# Altium PCB PCB1.PcbDoc (part 4 of 14) (continued)
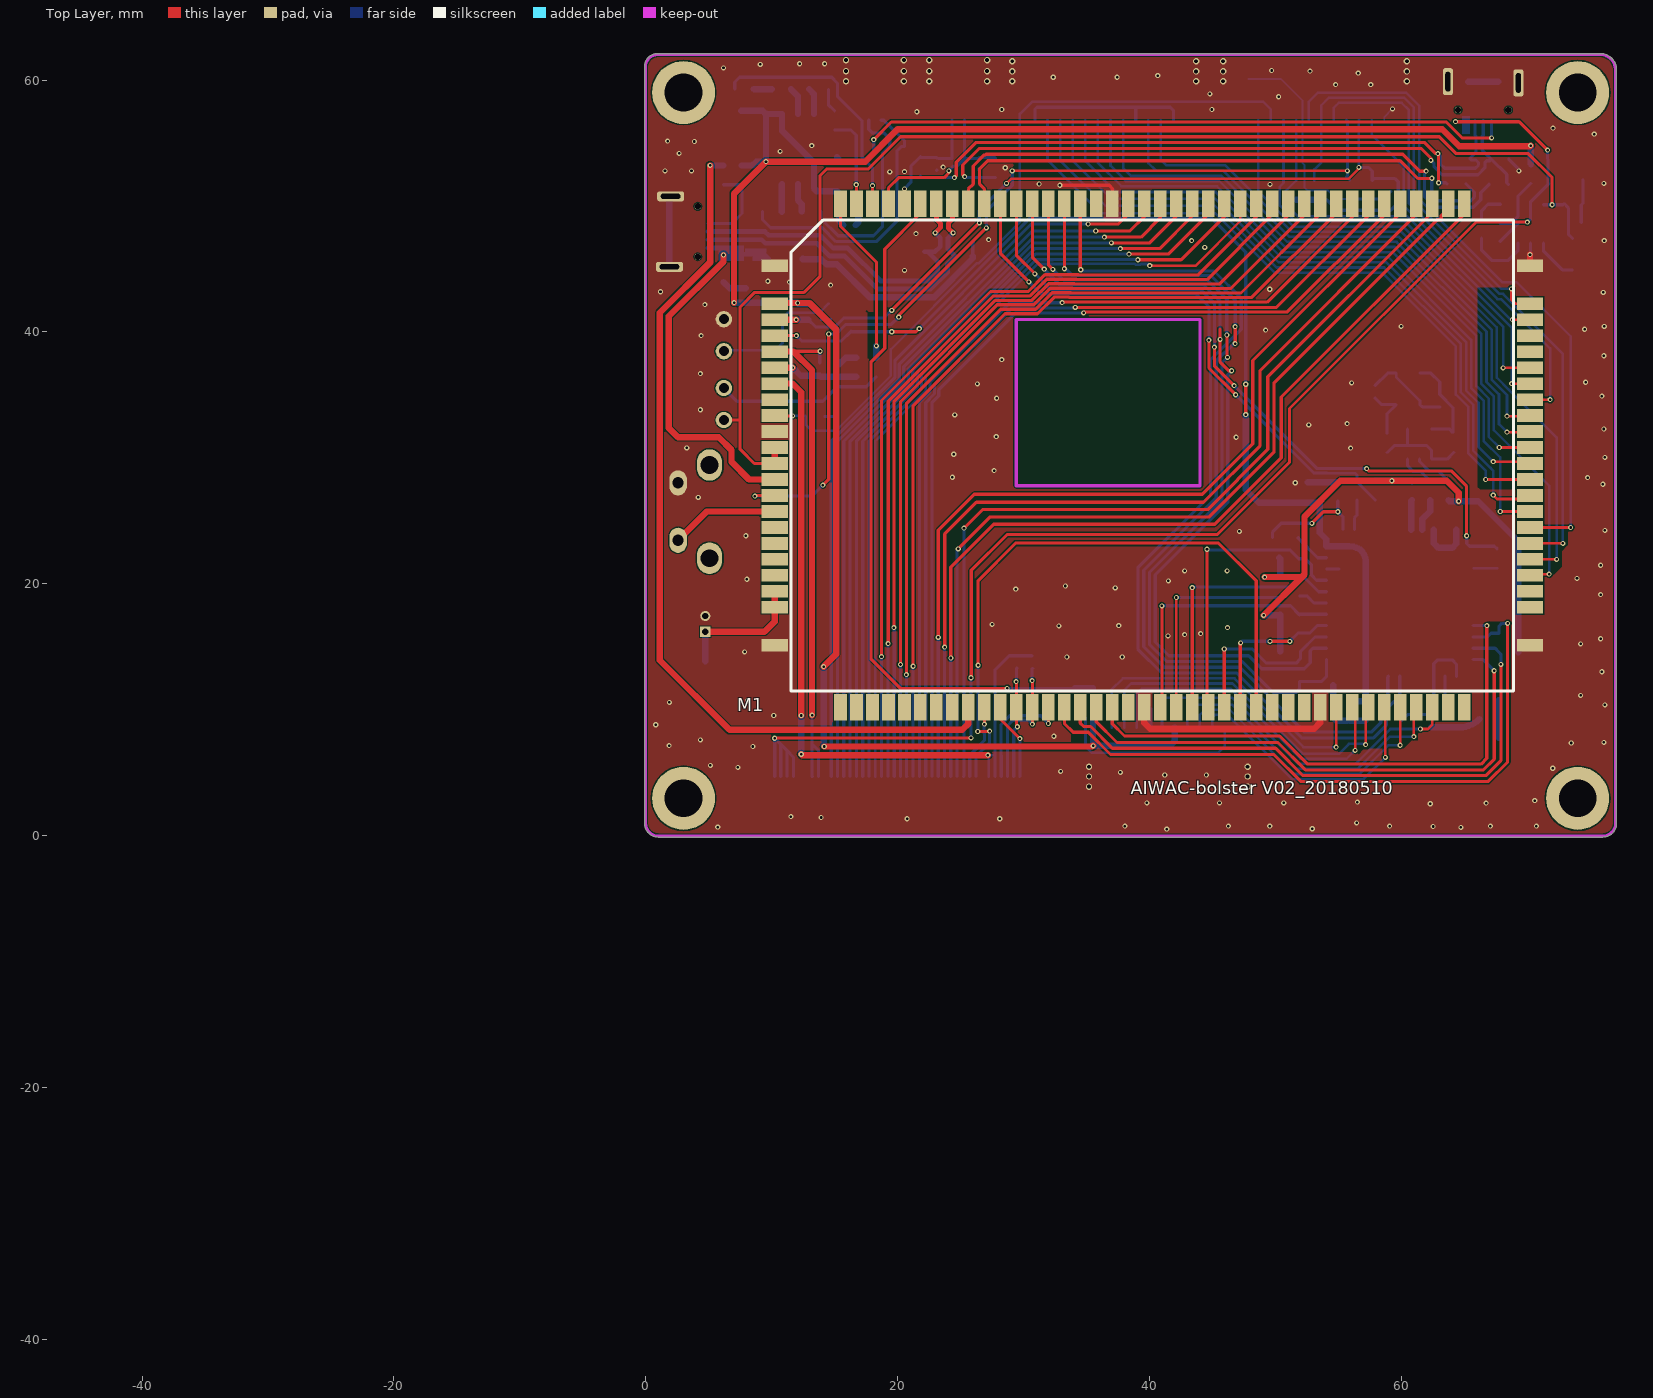
[diagram p0: Top Layer view]
## Free pads (board coordinates) (continued)
1(-45.268,-40.495) 1(-45.268,-40.494) 1(-45.268,-40.494) 1(-45.268,-40.494) 1(-45.268,-40.473) 1(-45.268,-40.473) 1(-45.268,-40.473) 1(-45.268,-40.472) 1(-45.268,-40.472) 1(-45.268,-40.472) 1(-45.268,-40.472) 1(-45.268,-40.472) 1(-45.268,-40.472) 1(-45.268,-40.5) 1(-45.268,-40.5) 1(-45.268,-40.5) 1(-45.268,-40.472) 1(-45.268,-40.472) 1(-45.268,-40.472) 1(-45.268,-40.472) 1(-45.268,-40.472) 1(-45.268,-40.472) 1(-45.268,-40.47) 1(-45.268,-40.47) 1(-45.268,-40.47) 1(-45.268,-40.47) 1(-45.268,-40.47) 1(-45.268,-40.47) 1(-45.268,-40.476) 1(-45.268,-40.476) 1(-45.268,-40.476) 1(-45.268,-40.492) 1(-45.268,-40.492) 1(-45.268,-40.492) 1(-45.268,-40.497) 1(-45.268,-40.497) 1(-45.268,-40.497) 1(-45.267,-40.468) 1(-45.267,-40.468) 1(-45.267,-40.468) 1(-45.267,-40.468) 1(-45.267,-40.468) 1(-45.267,-40.468) 1(-45.267,-40.469) 1(-45.267,-40.469) 1(-45.267,-40.469) 1(-45.267,-40.469) 1(-45.267,-40.469) 1(-45.267,-40.469) 1(-45.267,-40.472) 1(-45.267,-40.472) 1(-45.267,-40.472) 1(-45.267,-40.472) 1(-45.267,-40.472) 1(-45.267,-40.472) 1(-45.267,-40.47) 1(-45.267,-40.47) 1(-45.267,-40.47) 1(-45.267,-40.47) 1(-45.267,-40.47) 1(-45.267,-40.47) 1(-45.267,-40.517) 1(-45.267,-40.517) 1(-45.267,-40.517) 1(-45.267,-40.501) 1(-45.267,-40.501) 1(-45.267,-40.501) 1(-45.267,-40.469) 1(-45.267,-40.469) 1(-45.267,-40.469) 1(-45.267,-40.469) 1(-45.267,-40.469) 1(-45.267,-40.469) 1(-45.267,-40.473) 1(-45.267,-40.473) 1(-45.267,-40.473) 1(-45.267,-40.472) 1(-45.267,-40.472) 1(-45.267,-40.472) 1(-45.267,-40.472) 1(-45.267,-40.472) 1(-45.267,-40.472) 1(-45.267,-40.483) 1(-45.267,-40.483) 1(-45.267,-40.483) 1(-45.267,-40.483) 1(-45.267,-40.483) 1(-45.267,-40.483) 1(-45.267,-40.476) 1(-45.267,-40.476) 1(-45.267,-40.476) 1(-45.267,-40.469) 1(-45.267,-40.469) 1(-45.267,-40.469) 1(-45.267,-40.469) 1(-45.267,-40.469) 1(-45.267,-40.469) 1(-45.267,-40.483) 1(-45.267,-40.483) 1(-45.267,-40.483) 1(-45.267,-40.483) 1(-45.267,-40.483) 1(-45.267,-40.483) 1(-45.267,-40.469) 1(-45.267,-40.469) 1(-45.267,-40.469) 1(-45.267,-40.469) 1(-45.267,-40.469) 1(-45.267,-40.469) 1(-45.267,-40.511) 1(-45.267,-40.511) 1(-45.267,-40.511) 1(-45.267,-40.47) 1(-45.267,-40.47) 1(-45.267,-40.47) 1(-45.267,-40.47) 1(-45.267,-40.47) 1(-45.267,-40.47) 1(-45.266,-40.508) 1(-45.266,-40.508) 1(-45.266,-40.508) 1(-45.266,-40.475) 1(-45.266,-40.475) 1(-45.266,-40.475) 1(-45.266,-40.495) 1(-45.266,-40.495) 1(-45.266,-40.495) 1(-45.266,-40.491) 1(-45.266,-40.491) 1(-45.266,-40.491) 1(-45.266,-40.49) 1(-45.266,-40.49) 1(-45.266,-40.49) 1(-45.266,-40.49) 1(-45.266,-40.49) 1(-45.266,-40.49) 1(-45.266,-40.496) 1(-45.266,-40.496) 1(-45.266,-40.496) 1(-45.266,-40.496) 1(-45.266,-40.496) 1(-45.266,-40.496) 1(-45.266,-40.509) 1(-45.266,-40.509) 1(-45.266,-40.509) 1(-45.266,-40.509) 1(-45.266,-40.509) 1(-45.266,-40.509) 1(-45.266,-40.509) 1(-45.266,-40.509) 1(-45.266,-40.509) 1(-45.265,-40.474) 1(-45.265,-40.474) 1(-45.265,-40.474) 1(-45.265,-40.474) 1(-45.265,-40.474) 1(-45.265,-40.474) 1(-45.265,-40.473) 1(-45.265,-40.473) 1(-45.265,-40.473) 1(-45.265,-40.496) 1(-45.265,-40.496) 1(-45.265,-40.496) 1(-45.265,-40.496) 1(-45.265,-40.496) 1(-45.265,-40.496) 1(-45.265,-40.484) 1(-45.265,-40.484) 1(-45.265,-40.484) 1(-45.265,-40.484) 1(-45.265,-40.484) 1(-45.265,-40.484) 1(-45.265,-40.507) 1(-45.265,-40.507) 1(-45.265,-40.507) 1(-45.265,-40.497) 1(-45.265,-40.497) 1(-45.265,-40.497) 1(-45.265,-40.497) 1(-45.265,-40.497) 1(-45.265,-40.497) 1(-45.265,-40.47) 1(-45.265,-40.47) 1(-45.265,-40.47) 1(-45.265,-40.465) 1(-45.265,-40.465) 1(-45.265,-40.465) 1(-45.265,-40.506) 1(-45.265,-40.506) 1(-45.265,-40.506) 1(-45.265,-40.506) 1(-45.265,-40.506) 1(-45.265,-40.506) 1(-45.265,-40.499) 1(-45.265,-40.499) 1(-45.265,-40.499) 1(-45.265,-40.499) 1(-45.265,-40.499) 1(-45.265,-40.499) 1(-45.265,-40.517) 1(-45.265,-40.517) 1(-45.265,-40.517) 1(-45.265,-40.508) 1(-45.265,-40.508) 1(-45.265,-40.508) 1(-45.265,-40.471) 1(-45.265,-40.471) 1(-45.265,-40.471) 1(-45.265,-40.471) 1(-45.265,-40.471) 1(-45.265,-40.471) 1(-45.265,-40.493) 1(-45.265,-40.493) 1(-45.265,-40.493) 1(-45.265,-40.491) 1(-45.265,-40.491) 1(-45.265,-40.491) 1(-45.265,-40.483) 1(-45.265,-40.483) 1(-45.265,-40.483) 1(-45.265,-40.496) 1(-45.265,-40.496) 1(-45.265,-40.496) 1(-45.265,-40.487) 1(-45.265,-40.487) 1(-45.265,-40.487) 1(-45.265,-40.497) 1(-45.265,-40.497) 1(-45.265,-40.497) 1(-45.265,-40.497) 1(-45.265,-40.497) 1(-45.265,-40.497) 1(-45.265,-40.471) 1(-45.265,-40.471) 1(-45.265,-40.471) 1(-45.265,-40.471) 1(-45.265,-40.471) 1(-45.265,-40.471) 1(-45.265,-40.47) 1(-45.265,-40.47) 1(-45.265,-40.47) 1(-45.265,-40.47) 1(-45.265,-40.47) 1(-45.265,-40.47) 1(-45.264,-40.507) 1(-45.264,-40.507) 1(-45.264,-40.507) 1(-45.264,-40.507) 1(-45.264,-40.507) 1(-45.264,-40.507) 1(-45.264,-40.475) 1(-45.264,-40.475) 1(-45.264,-40.475) 1(-45.264,-40.475) 1(-45.264,-40.475) 1(-45.264,-40.475) 1(-45.264,-40.473) 1(-45.264,-40.473) 1(-45.264,-40.473) 1(-45.264,-40.511) 1(-45.264,-40.511) 1(-45.264,-40.511) 1(-45.264,-40.511) 1(-45.264,-40.511) 1(-45.264,-40.511) 1(-45.264,-40.504) 1(-45.264,-40.504) 1(-45.264,-40.504) 1(-45.264,-40.506) 1(-45.264,-40.506) 1(-45.264,-40.506) 1(-45.263,-40.51) 1(-45.263,-40.51) 1(-45.263,-40.51) 1(-45.263,-40.51) 1(-45.263,-40.51) 1(-45.263,-40.51) 1(-45.263,-40.482) 1(-45.263,-40.482) 1(-45.263,-40.482) 1(-45.263,-40.519) 1(-45.263,-40.519) 1(-45.263,-40.519) 1(-45.263,-40.517) 1(-45.263,-40.517) 1(-45.263,-40.517) 1(-45.263,-40.512) 1(-45.263,-40.512) 1(-45.263,-40.512) 1(-45.263,-40.512) 1(-45.263,-40.512) 1(-45.263,-40.512) 1(-45.263,-40.475) 1(-45.263,-40.475) 1(-45.263,-40.475) 1(-45.263,-40.475) 1(-45.263,-40.475) 1(-45.263,-40.475) 1(-45.263,-40.473) 1(-45.263,-40.473) 1(-45.263,-40.473) 1(-45.263,-40.512) 1(-45.263,-40.512) 1(-45.263,-40.512) 1(-45.263,-40.512) 1(-45.263,-40.512) 1(-45.263,-40.512) 1(-45.263,-40.463) 1(-45.263,-40.463) 1(-45.263,-40.463) 1(-45.263,-40.477) 1(-45.263,-40.477) 1(-45.263,-40.477) 1(-45.263,-40.477) 1(-45.263,-40.477) 1(-45.263,-40.477) 1(-45.262,-40.477) 1(-45.262,-40.477) 1(-45.262,-40.477) 1(-45.262,-40.477) 1(-45.262,-40.477) 1(-45.262,-40.477) 1(-45.262,-40.472) 1(-45.262,-40.472) 1(-45.262,-40.472) 1(-45.262,-40.506) 1(-45.262,-40.506) 1(-45.262,-40.506) 1(-45.262,-40.498) 1(-45.262,-40.498) 1(-45.262,-40.498) 1(-45.262,-40.501) 1(-45.262,-40.501) 1(-45.262,-40.501) 1(-45.262,-40.476) 1(-45.262,-40.476) 1(-45.262,-40.476) 1(-45.262,-40.476) 1(-45.262,-40.476) 1(-45.262,-40.476) 1(-45.262,-40.513) 1(-45.262,-40.513) 1(-45.262,-40.513) 1(-45.262,-40.512) 1(-45.262,-40.512) 1(-45.262,-40.512) 1(-45.262,-40.512) 1(-45.262,-40.512) 1(-45.262,-40.512) 1(-45.262,-40.475) 1(-45.262,-40.475) 1(-45.262,-40.475) 1(-45.262,-40.475) 1(-45.262,-40.475) 1(-45.262,-40.475) 1(-45.262,-40.473) 1(-45.262,-40.473) 1(-45.262,-40.473) 1(-45.262,-40.508) 1(-45.262,-40.508) 1(-45.262,-40.508) 1(-45.262,-40.503) 1(-45.262,-40.503) 1(-45.262,-40.503) 1(-45.262,-40.507) 1(-45.262,-40.507) 1(-45.262,-40.507) 1(-45.262,-40.507) 1(-45.262,-40.507) 1(-45.262,-40.507) 1(-45.262,-40.498) 1(-45.262,-40.498) 1(-45.262,-40.498) 1(-45.261,-40.515) 1(-45.261,-40.515) 1(-45.261,-40.515) 1(-45.261,-40.511) 1(-45.261,-40.511) 1(-45.261,-40.511) 1(-45.261,-40.511) 1(-45.261,-40.511) 1(-45.261,-40.511) 1(-45.261,-40.476) 1(-45.261,-40.476) 1(-45.261,-40.476) 1(-45.261,-40.476) 1(-45.261,-40.476) 1(-45.261,-40.476) 1(-45.261,-40.472) 1(-45.261,-40.472) 1(-45.261,-40.472) 1(-45.261,-40.472) 1(-45.261,-40.472) 1(-45.261,-40.472) 1(-45.26,-40.514) 1(-45.26,-40.514) 1(-45.26,-40.514) 1(-45.26,-40.514) 1(-45.26,-40.514) 1(-45.26,-40.514) 1(-45.26,-40.513) 1(-45.26,-40.513) 1(-45.26,-40.513) 1(-45.26,-40.475) 1(-45.26,-40.475) 1(-45.26,-40.475) 1(-45.26,-40.475) 1(-45.26,-40.475) 1(-45.26,-40.475) 1(-45.26,-40.473) 1(-45.26,-40.473) 1(-45.26,-40.473) 1(-45.26,-40.499) 1(-45.26,-40.499) 1(-45.26,-40.499) 1(-45.26,-40.501) 1(-45.26,-40.501) 1(-45.26,-40.501) 1(-45.26,-40.503) 1(-45.26,-40.503) 1(-45.26,-40.503) 1(-45.26,-40.475) 1(-45.26,-40.475) 1(-45.26,-40.475) 1(-45.26,-40.475) 1(-45.26,-40.475) 1(-45.26,-40.475) 1(-45.26,-40.496) 1(-45.26,-40.496) 1(-45.26,-40.496) 1(-45.26,-40.481) 1(-45.26,-40.481) 1(-45.26,-40.481) 1(-45.26,-40.51) 1(-45.26,-40.51) 1(-45.26,-40.51) 1(-45.26,-40.51) 1(-45.26,-40.51) 1(-45.26,-40.51) 1(-45.26,-40.515) 1(-45.26,-40.515) 1(-45.26,-40.515) 1(-45.26,-40.515) 1(-45.26,-40.515) 1(-45.26,-40.515) 1(-45.259,-40.505) 1(-45.259,-40.505) 1(-45.259,-40.505) 1(-45.259,-40.505) 1(-45.259,-40.505) 1(-45.259,-40.505) 1(-45.259,-40.503) 1(-45.259,-40.503) 1(-45.259,-40.503) 1(-45.259,-40.503) 1(-45.259,-40.503) 1(-45.259,-40.503) 1(-45.259,-40.503) 1(-45.259,-40.503) 1(-45.259,-40.503) 1(-45.259,-40.508) 1(-45.259,-40.508) 1(-45.259,-40.508) 1(-45.259,-40.508) 1(-45.259,-40.508) 1(-45.259,-40.508) 1(-45.259,-40.506) 1(-45.259,-40.506) 1(-45.259,-40.506) 1(-45.259,-40.506) 1(-45.259,-40.506) 1(-45.259,-40.506) 1(-45.259,-40.514) 1(-45.259,-40.514) 1(-45.259,-40.514) 1(-45.259,-40.514) 1(-45.259,-40.514) 1(-45.259,-40.514) 1(-45.259,-40.513) 1(-45.259,-40.513) 1(-45.259,-40.513) 1(-45.259,-40.474) 1(-45.259,-40.474) 1(-45.259,-40.474) 1(-45.259,-40.474) 1(-45.259,-40.474) 1(-45.259,-40.474) 1(-45.259,-40.473) 1(-45.259,-40.473) 1(-45.259,-40.473) 1(-45.259,-40.473) 1(-45.259,-40.473) 1(-45.259,-40.473) 1(-45.259,-40.473) 1(-45.259,-40.473) 1(-45.259,-40.473) 1(-45.259,-40.498) 1(-45.259,-40.498) 1(-45.259,-40.498) 1(-45.259,-40.515) 1(-45.259,-40.515) 1(-45.259,-40.515) 1(-45.259,-40.515) 1(-45.259,-40.515) 1(-45.259,-40.515) 1(-45.259,-40.509) 1(-45.259,-40.509) 1(-45.259,-40.509) 1(-45.259,-40.509) 1(-45.259,-40.509) 1(-45.259,-40.509) 1(-45.259,-40.475) 1(-45.259,-40.475) 1(-45.259,-40.475) 1(-45.259,-40.475) 1(-45.259,-40.475) 1(-45.259,-40.475) 1(-45.259,-40.515) 1(-45.259,-40.515) 1(-45.259,-40.515) 1(-45.259,-40.515) 1(-45.259,-40.515) 1(-45.259,-40.515) 1(-45.259,-40.516) 1(-45.259,-40.516) 1(-45.259,-40.516) 1(-45.258,-40.515) 1(-45.258,-40.515) 1(-45.258,-40.515) 1(-45.258,-40.515) 1(-45.258,-40.515) 1(-45.258,-40.515) 1(-45.258,-40.509) 1(-45.258,-40.509) 1(-45.258,-40.509) 1(-45.258,-40.509) 1(-45.258,-40.509) 1(-45.258,-40.509) 1(-45.258,-40.514) 1(-45.258,-40.514) 1(-45.258,-40.514) 1(-45.258,-40.514) 1(-45.258,-40.514) 1(-45.258,-40.514) 1(-45.258,-40.513) 1(-45.258,-40.513) 1(-45.258,-40.513) 1(-45.257,-40.503) 1(-45.257,-40.503) 1(-45.257,-40.503) 1(-45.257,-40.507) 1(-45.257,-40.507) 1(-45.257,-40.507) 1(-45.257,-40.505) 1(-45.257,-40.505) 1(-45.257,-40.505) 1(-45.257,-40.511) 1(-45.257,-40.511) 1(-45.257,-40.511) 1(-45.257,-40.498) 1(-45.257,-40.498) 1(-45.257,-40.498) 1(-45.257,-40.472) 1(-45.257,-40.472) 1(-45.257,-40.472) 1(-45.257,-40.472) 1(-45.257,-40.472) 1(-45.257,-40.472) 1(-45.257,-40.517) 1(-45.257,-40.517) 1(-45.257,-40.517) 1(-45.257,-40.517) 1(-45.257,-40.517) 1(-45.257,-40.517) 1(-45.257,-40.505) 1(-45.257,-40.505) 1(-45.257,-40.505) 1(-45.257,-40.514) 1(-45.257,-40.514) 1(-45.257,-40.514) 1(-45.257,-40.514) 1(-45.257,-40.514) 1(-45.257,-40.514) 1(-45.257,-40.513) 1(-45.257,-40.513) 1(-45.257,-40.513) 1(-45.257,-40.473) 1(-45.257,-40.473) 1(-45.257,-40.473) 1(-45.257,-40.472) 1(-45.257,-40.472) 1(-45.257,-40.472) 1(-45.257,-40.472) 1(-45.257,-40.472) 1(-45.257,-40.472) 1(-45.257,-40.516) 1(-45.257,-40.516) 1(-45.257,-40.516) 1(-45.257,-40.516) 1(-45.257,-40.516) 1(-45.257,-40.516) 1(-45.257,-40.508) 1(-45.257,-40.508) 1(-45.257,-40.508) 1(-45.257,-40.482) 1(-45.257,-40.482) 1(-45.257,-40.482) 1(-45.257,-40.507) 1(-45.257,-40.507) 1(-45.257,-40.507) 1(-45.257,-40.503) 1(-45.257,-40.503) 1(-45.257,-40.503) 1(-45.256,-40.481) 1(-45.256,-40.481) 1(-45.256,-40.481) 1(-45.256,-40.499) 1(-45.256,-40.499) 1(-45.256,-40.499) 1(-45.256,-40.518) 1(-45.256,-40.518) 1(-45.256,-40.518) 1(-45.256,-40.516) 1(-45.256,-40.516) 1(-45.256,-40.516) 1(-45.256,-40.516) 1(-45.256,-40.516) 1(-45.256,-40.516) 1(-45.256,-40.503) 1(-45.256,-40.503) 1(-45.256,-40.503) 1(-45.256,-40.503) 1(-45.256,-40.503) 1(-45.256,-40.503) 1(-45.256,-40.503) 1(-45.256,-40.503) 1(-45.256,-40.503) 1(-45.256,-40.509) 1(-45.256,-40.509) 1(-45.256,-40.509) 1(-45.256,-40.509) 1(-45.256,-40.509) 1(-45.256,-40.509) 1(-45.256,-40.464) 1(-45.256,-40.464) 1(-45.256,-40.464) 1(-45.256,-40.515) 1(-45.256,-40.515) 1(-45.256,-40.515) 1(-45.256,-40.515) 1(-45.256,-40.515) 1(-45.256,-40.515) 1(-45.256,-40.478) 1(-45.256,-40.478) 1(-45.256,-40.478) 1(-45.255,-40.506) 1(-45.255,-40.506) 1(-45.255,-40.506) 1(-45.255,-40.508) 1(-45.255,-40.508) 1(-45.255,-40.508) 1(-45.255,-40.502) 1(-45.255,-40.502) 1(-45.255,-40.502) 1(-45.255,-40.503) 1(-45.255,-40.503) 1(-45.255,-40.503) 1(-45.255,-40.507) 1(-45.255,-40.507) 1(-45.255,-40.507) 1(-45.255,-40.496) 1(-45.255,-40.496) 1(-45.255,-40.496) 1(-45.255,-40.509) 1(-45.255,-40.509) 1(-45.255,-40.509) 1(-45.255,-40.511) 1(-45.255,-40.511) 1(-45.255,-40.511) 1(-45.255,-40.511) 1(-45.255,-40.511) 1(-45.255,-40.511) 1(-45.255,-40.498) 1(-45.255,-40.498) 1(-45.255,-40.498) 1(-45.254,-40.5) 1(-45.254,-40.5) 1(-45.254,-40.5) 1(-45.254,-40.513) 1(-45.254,-40.513) 1(-45.254,-40.513) 1(-45.253,-40.51) 1(-45.253,-40.51) 1(-45.253,-40.51) 1(-45.253,-40.51) 1(-45.253,-40.51) 1(-45.253,-40.51) 1(-45.253,-40.504) 1(-45.253,-40.504) 1(-45.253,-40.504) 1(-45.253,-40.504) 1(-45.253,-40.504) 1(-45.253,-40.504) 1(-45.253,-40.503) 1(-45.253,-40.503) 1(-45.253,-40.503) 1(-45.253,-40.503) 1(-45.253,-40.503) 1(-45.253,-40.503) 1(-45.253,-40.481) 1(-45.253,-40.481) 1(-45.253,-40.481) 1(-45.253,-40.518) 1(-45.253,-40.518) 1(-45.253,-40.518) 1(-45.253,-40.513) 1(-45.253,-40.513) 1(-45.253,-40.513) 1(-45.253,-40.513) 1(-45.253,-40.513) 1(-45.253,-40.513) 1(-45.253,-40.513) 1(-45.253,-40.513) 1(-45.253,-40.513) 1(-45.253,-40.505) 1(-45.253,-40.505) 1(-45.253,-40.505) 1(-45.253,-40.505) 1(-45.253,-40.505) 1(-45.253,-40.505) 1(-45.253,-40.499) 1(-45.253,-40.499) 1(-45.253,-40.499) 1(-45.252,-40.478) 1(-45.252,-40.478) 1(-45.252,-40.478) 1(-45.252,-40.508) 1(-45.252,-40.508) 1(-45.252,-40.508) 1(-45.252,-40.503) 1(-45.252,-40.503) 1(-45.252,-40.503) 1(-45.252,-40.482) 1(-45.252,-40.482) 1(-45.252,-40.482) 1(-45.252,-40.506) 1(-45.252,-40.506) 1(-45.252,-40.506) 1(-45.252,-40.463) 1(-45.252,-40.463) 1(-45.252,-40.463) 1(-45.252,-40.498) 1(-45.252,-40.498) 1(-45.252,-40.498) 1(-45.252,-40.496) 1(-45.252,-40.496) 1(-45.252,-40.496) 1(-45.252,-40.513) 1(-45.252,-40.513) 1(-45.252,-40.513) 1(-45.252,-40.513) 1(-45.252,-40.513) 1(-45.252,-40.513) 1(-45.252,-40.513) 1(-45.252,-40.513) 1(-45.252,-40.513) 1(-45.252,-40.504) 1(-45.252,-40.504) 1(-45.252,-40.504) 1(-45.252,-40.504) 1(-45.252,-40.504) 1(-45.252,-40.504) 1(-45.252,-40.504) 1(-45.252,-40.504) 1(-45.252,-40.504) 1(-45.252,-40.504) 1(-45.252,-40.504) 1(-45.252,-40.504) 1(-45.251,-40.466) 1(-45.251,-40.466) 1(-45.251,-40.466) 1(-45.251,-40.508) 1(-45.251,-40.508) 1(-45.251,-40.508) 1(-45.251,-40.506) 1(-45.251,-40.506) 1(-45.251,-40.506) 1(-45.25,-40.477) 1(-45.25,-40.477) 1(-45.25,-40.477) 1(-45.25,-40.477) 1(-45.25,-40.477) 1(-45.25,-40.477) 1(-45.25,-40.477) 1(-45.25,-40.477) 1(-45.25,-40.477) 1(-45.25,-40.477) 1(-45.25,-40.477) 1(-45.25,-40.477) 1(-45.25,-40.513) 1(-45.25,-40.513) 1(-45.25,-40.513) 1(-45.25,-40.504) 1(-45.25,-40.504) 1(-45.25,-40.504) 1(-45.25,-40.504) 1(-45.25,-40.504) 1(-45.25,-40.504) 1(-45.25,-40.476) 1(-45.25,-40.476) 1(-45.25,-40.476) 1(-45.25,-40.476) 1(-45.25,-40.476) 1(-45.25,-40.476) 1(-45.25,-40.476) 1(-45.25,-40.476) 1(-45.25,-40.476) 1(-45.25,-40.476) 1(-45.25,-40.476) 1(-45.25,-40.476) 1(-45.25,-40.503) 1(-45.25,-40.503) 1(-45.25,-40.503) 1(-45.25,-40.501) 1(-45.25,-40.501) 1(-45.25,-40.501) 1(-45.25,-40.496) 1(-45.25,-40.496) 1(-45.25,-40.496) 1(-45.25,-40.496) 1(-45.25,-40.496) 1(-45.25,-40.496) 1(-45.25,-40.475) 1(-45.25,-40.475) 1(-45.25,-40.475) 1(-45.25,-40.475) 1(-45.25,-40.475) 1(-45.25,-40.475) 1(-45.25,-40.482) 1(-45.25,-40.482) 1(-45.25,-40.482) 1(-45.25,-40.481) 1(-45.25,-40.481) 1(-45.25,-40.481) 1(-45.25,-40.508) 1(-45.25,-40.508) 1(-45.25,-40.508) 1(-45.25,-40.506) 1(-45.25,-40.506) 1(-45.25,-40.506) 1(-45.25,-40.475) 1(-45.25,-40.475) 1(-45.25,-40.475) 1(-45.25,-40.475) 1(-45.25,-40.475) 1(-45.25,-40.475) 1(-45.25,-40.496) 1(-45.25,-40.496) 1(-45.25,-40.496) 1(-45.25,-40.496) 1(-45.25,-40.496) 1(-45.25,-40.496) 1(-45.25,-40.497) 1(-45.25,-40.497) 1(-45.25,-40.497) 1(-45.25,-40.497) 1(-45.25,-40.497) 1(-45.25,-40.497) 1(-45.249,-40.497) 1(-45.249,-40.497) 1(-45.249,-40.497) 1(-45.249,-40.497) 1(-45.249,-40.497) 1(-45.249,-40.497) 1(-45.249,-40.513) 1(-45.249,-40.513) 1(-45.249,-40.513) 1(-45.249,-40.513) 1(-45.249,-40.513) 1(-45.249,-40.513) 1(-45.249,-40.501) 1(-45.249,-40.501) 1(-45.249,-40.501) 1(-45.249,-40.501) 1(-45.249,-40.501) 1(-45.249,-40.501) 1(-45.249,-40.513) 1(-45.249,-40.513) 1(-45.249,-40.513) 1(-45.249,-40.475) 1(-45.249,-40.475) 1(-45.249,-40.475) 1(-45.249,-40.475) 1(-45.249,-40.475) 1(-45.249,-40.475) 1(-45.249,-40.473) 1(-45.249,-40.473) 1(-45.249,-40.473) 1(-45.249,-40.475) 1(-45.249,-40.475) 1(-45.249,-40.475) 1(-45.249,-40.475) 1(-45.249,-40.475) 1(-45.249,-40.475) 1(-45.249,-40.486) 1(-45.249,-40.486) 1(-45.249,-40.486) 1(-45.249,-40.486) 1(-45.249,-40.486) 1(-45.249,-40.486) 1(-45.249,-40.479) 1(-45.249,-40.479) 1(-45.249,-40.479) 1(-45.249,-40.479) 1(-45.249,-40.479) 1(-45.249,-40.479) 1(-45.248,-40.486) 1(-45.248,-40.486) 1(-45.248,-40.486) 1(-45.248,-40.486) 1(-45.248,-40.486) 1(-45.248,-40.486) 1(-45.248,-40.478) 1(-45.248,-40.478) 1(-45.248,-40.478) 1(-45.248,-40.478) 1(-45.248,-40.478) 1(-45.248,-40.478) 1(-45.248,-40.518) 1(-45.248,-40.518) 1(-45.248,-40.518) 1(-45.248,-40.475) 1(-45.248,-40.475) 1(-45.248,-40.475) 1(-45.248,-40.475) 1(-45.248,-40.475) 1(-45.248,-40.475) 1(-45.248,-40.499) 1(-45.248,-40.499) 1(-45.248,-40.499) 1(-45.248,-40.502) 1(-45.248,-40.502) 1(-45.248,-40.502) 1(-45.248,-40.486) 1(-45.248,-40.486) 1(-45.248,-40.486) 1(-45.248,-40.486) 1(-45.248,-40.486) 1(-45.248,-40.486) 1(-45.248,-40.478) 1(-45.248,-40.478) 1(-45.248,-40.478) 1(-45.248,-40.478) 1(-45.248,-40.478) 1(-45.248,-40.478) 1(-45.248,-40.508) 1(-45.248,-40.508) 1(-45.248,-40.508) 1(-45.248,-40.506) 1(-45.248,-40.506) 1(-45.248,-40.506) 1(-45.248,-40.513) 1(-45.248,-40.513) 1(-45.248,-40.513) 1(-45.248,-40.513) 1(-45.248,-40.513) 1(-45.248,-40.513) 1(-45.248,-40.508) 1(-45.248,-40.508) 1(-45.248,-40.508) 1(-45.248,-40.508) 1(-45.248,-40.508) 1(-45.248,-40.508) 1(-45.248,-40.475) 1(-45.248,-40.475) 1(-45.248,-40.475) 1(-45.248,-40.475) 1(-45.248,-40.475) 1(-45.248,-40.475) 1(-45.248,-40.473) 1(-45.248,-40.473) 1(-45.248,-40.473) 1(-45.248,-40.508) 1(-45.248,-40.508) 1(-45.248,-40.508) 1(-45.248,-40.508) 1(-45.248,-40.508) 1(-45.248,-40.508) 1(-45.248,-40.513) 1(-45.248,-40.513) 1(-45.248,-40.513) 1(-45.247,-40.485) 1(-45.247,-40.485) 1(-45.247,-40.485) 1(-45.247,-40.485) 1(-45.247,-40.485) 1(-45.247,-40.485) 1(-45.247,-40.478) 1(-45.247,-40.478) 1(-45.247,-40.478) 1(-45.247,-40.478) 1(-45.247,-40.478) 1(-45.247,-40.478) 1(-45.247,-40.485) 1(-45.247,-40.485) 1(-45.247,-40.485) 1(-45.247,-40.485) 1(-45.247,-40.485) 1(-45.247,-40.485) 1(-45.247,-40.494) 1(-45.247,-40.494) 1(-45.247,-40.494) 1(-45.247,-40.494) 1(-45.247,-40.494) 1(-45.247,-40.494) 1(-45.247,-40.493) 1(-45.247,-40.493) 1(-45.247,-40.493) 1(-45.247,-40.493) 1(-45.247,-40.493) 1(-45.247,-40.493) 1(-45.247,-40.486) 1(-45.247,-40.486) 1(-45.247,-40.486) 1(-45.247,-40.486) 1(-45.247,-40.486) 1(-45.247,-40.486) 1(-45.247,-40.486) 1(-45.247,-40.486) 1(-45.247,-40.486) 1(-45.247,-40.486) 1(-45.247,-40.486) 1(-45.247,-40.486) 1(-45.247,-40.483) 1(-45.247,-40.483) 1(-45.247,-40.483) 1(-45.247,-40.483) 1(-45.247,-40.483) 1(-45.247,-40.483) 1(-45.247,-40.478) 1(-45.247,-40.478) 1(-45.247,-40.478) 1(-45.247,-40.478) 1(-45.247,-40.478) 1(-45.247,-40.478) 1(-45.247,-40.484) 1(-45.247,-40.484) 1(-45.247,-40.484) 1(-45.247,-40.484) 1(-45.247,-40.484) 1(-45.247,-40.484) 1(-45.247,-40.494) 1(-45.247,-40.494) 1(-45.247,-40.494) 1(-45.247,-40.494) 1(-45.247,-40.494) 1(-45.247,-40.494) 1(-45.247,-40.493) 1(-45.247,-40.493) 1(-45.247,-40.493) 1(-45.247,-40.493) 1(-45.247,-40.493) 1(-45.247,-40.493) 1(-45.247,-40.506) 1(-45.247,-40.506) 1(-45.247,-40.506) 1(-45.247,-40.503) 1(-45.247,-40.503) 1(-45.247,-40.503) 1(-45.247,-40.508) 1(-45.247,-40.508) 1(-45.247,-40.508) 1(-45.247,-40.486) 1(-45.247,-40.486) 1(-45.247,-40.486) 1(-45.246,-40.482) 1(-45.246,-40.482) 1(-45.246,-40.482) 1(-45.246,-40.482) 1(-45.246,-40.482) 1(-45.246,-40.482) 1(-45.246,-40.478) 1(-45.246,-40.478) 1(-45.246,-40.478) 1(-45.246,-40.478) 1(-45.246,-40.478) 1(-45.246,-40.478) 1(-45.246,-40.513) 1(-45.246,-40.513) 1(-45.246,-40.513) 1(-45.246,-40.509) 1(-45.246,-40.509) 1(-45.246,-40.509) 1(-45.246,-40.509) 1(-45.246,-40.509) 1(-45.246,-40.509) 1(-45.246,-40.474) 1(-45.246,-40.474) 1(-45.246,-40.474) 1(-45.246,-40.474) 1(-45.246,-40.474) 1(-45.246,-40.474) 1(-45.246,-40.473) 1(-45.246,-40.473) 1(-45.246,-40.473) 1(-45.246,-40.482) 1(-45.246,-40.482) 1(-45.246,-40.482) 1(-45.246,-40.482) 1(-45.246,-40.482) 1(-45.246,-40.482) 1(-45.246,-40.49) 1(-45.246,-40.49) 1(-45.246,-40.49) 1(-45.246,-40.49) 1(-45.246,-40.49) 1(-45.246,-40.49) 1(-45.246,-40.485) 1(-45.246,-40.485) 1(-45.246,-40.485) 1(-45.246,-40.485) 1(-45.246,-40.485) 1(-45.246,-40.485) 1(-45.246,-40.483) 1(-45.246,-40.483) 1(-45.246,-40.483) 1(-45.246,-40.483) 1(-45.246,-40.483) 1(-45.246,-40.483) 1(-45.246,-40.494) 1(-45.246,-40.494) 1(-45.246,-40.494) 1(-45.246,-40.494) 1(-45.246,-40.494) 1(-45.246,-40.494) 1(-45.246,-40.49) 1(-45.246,-40.49) 1(-45.246,-40.49) 1(-45.246,-40.49) 1(-45.246,-40.49) 1(-45.246,-40.49) 1(-45.246,-40.488) 1(-45.246,-40.488) 1(-45.246,-40.488) 1(-45.246,-40.488) 1(-45.246,-40.488) 1(-45.246,-40.488) 1(-45.246,-40.466) 1(-45.246,-40.466) 1(-45.246,-40.466) 1(-45.246,-40.495) 1(-45.246,-40.495) 1(-45.246,-40.495) 1(-45.246,-40.483) 1(-45.246,-40.483) 1(-45.246,-40.483) 1(-45.246,-40.483) 1(-45.246,-40.483) 1(-45.246,-40.483) 1(-45.246,-40.475) 1(-45.246,-40.475) 1(-45.246,-40.475) 1(-45.246,-40.475) 1(-45.246,-40.475) 1(-45.246,-40.475) 1(-45.246,-40.519) 1(-45.246,-40.519) 1(-45.246,-40.519) 1(-45.246,-40.519) 1(-45.246,-40.519) 1(-45.246,-40.519) 1(-45.246,-40.463) 1(-45.246,-40.463) 1(-45.246,-40.463) 1(-45.246,-40.473) 1(-45.246,-40.473) 1(-45.246,-40.473) 1(-45.246,-40.473) 1(-45.246,-40.473) 1(-45.246,-40.473) 1(-45.246,-40.5) 1(-45.246,-40.5) 1(-45.246,-40.5) 1(-45.245,-40.508) 1(-45.245,-40.508) 1(-45.245,-40.508) 1(-45.245,-40.508) 1(-45.245,-40.508) 1(-45.245,-40.508) 1(-45.245,-40.502) 1(-45.245,-40.502) 1(-45.245,-40.502) 1(-45.245,-40.48) 1(-45.245,-40.48) 1(-45.245,-40.48) 1(-45.245,-40.48) 1(-45.245,-40.48) 1(-45.245,-40.48) 1(-45.245,-40.474) 1(-45.245,-40.474) 1(-45.245,-40.474) 1(-45.245,-40.474) 1(-45.245,-40.474) 1(-45.245,-40.474) 1(-45.245,-40.495) 1(-45.245,-40.495) 1(-45.245,-40.495) 1(-45.245,-40.495) 1(-45.245,-40.495) 1(-45.245,-40.495) 1(-45.245,-40.491) 1(-45.245,-40.491) 1(-45.245,-40.491) 1(-45.245,-40.491) 1(-45.245,-40.491) 1(-45.245,-40.491) 1(-45.245,-40.498) 1(-45.245,-40.498) 1(-45.245,-40.498) 1(-45.245,-40.495) 1(-45.245,-40.495) 1(-45.245,-40.495) 1(-45.245,-40.495) 1(-45.245,-40.495) 1(-45.245,-40.495) 1(-45.245,-40.473) 1(-45.245,-40.473) 1(-45.245,-40.473) 1(-45.245,-40.473) 1(-45.245,-40.473) 1(-45.245,-40.473) 1(-45.245,-40.473) 1(-45.245,-40.473) 1(-45.245,-40.473) 1(-45.245,-40.497) 1(-45.245,-40.497) 1(-45.245,-40.497) 1(-45.245,-40.482) 1(-45.245,-40.482) 1(-45.245,-40.482) 1(-45.245,-40.482) 1(-45.245,-40.482) 1(-45.245,-40.482) 1(-45.245,-40.48) 1(-45.245,-40.48) 1(-45.245,-40.48) 1(-45.245,-40.48) 1(-45.245,-40.48) 1(-45.245,-40.48) 1(-45.245,-40.489) 1(-45.245,-40.489) 1(-45.245,-40.489) 1(-45.245,-40.489) 1(-45.245,-40.489) 1(-45.245,-40.489) 1(-45.245,-40.495) 1(-45.245,-40.495) 1(-45.245,-40.495) 1(-45.245,-40.495) 1(-45.245,-40.495) 1(-45.245,-40.495) 1(-45.245,-40.49) 1(-45.245,-40.49) 1(-45.245,-40.49) 1(-45.245,-40.49) 1(-45.245,-40.49) 1(-45.245,-40.49) 1(-45.245,-40.489) 1(-45.245,-40.489) 1(-45.245,-40.489) 1(-45.245,-40.489) 1(-45.245,-40.489) 1(-45.245,-40.489) 1(-45.245,-40.495) 1(-45.245,-40.495) 1(-45.245,-40.495) 1(-45.245,-40.495) 1(-45.245,-40.495) 1(-45.245,-40.495) 1(-45.245,-40.488) 1(-45.245,-40.488) 1(-45.245,-40.488) 1(-45.245,-40.488) 1(-45.245,-40.488) 1(-45.245,-40.488) 1(-45.245,-40.485) 1(-45.245,-40.485) 1(-45.245,-40.485) 1(-45.245,-40.495) 1(-45.245,-40.495) 1(-45.245,-40.495) 1(-45.245,-40.495) 1(-45.245,-40.495) 1(-45.245,-40.495) 1(-45.245,-40.496) 1(-45.245,-40.496) 1(-45.245,-40.496) 1(-45.244,-40.507) 1(-45.244,-40.507) 1(-45.244,-40.507) 1(-45.244,-40.498) 1(-45.244,-40.498) 1(-45.244,-40.498) 1(-45.244,-40.509) 1(-45.244,-40.509) 1(-45.244,-40.509) 1(-45.244,-40.472) 1(-45.244,-40.472) 1(-45.244,-40.472) 1(-45.244,-40.511) 1(-45.244,-40.511) 1(-45.244,-40.511) 1(-45.244,-40.495) 1(-45.244,-40.495) 1(-45.244,-40.495) 1(-45.244,-40.495) 1(-45.244,-40.495) 1(-45.244,-40.495) 1(-45.244,-40.49) 1(-45.244,-40.49) 1(-45.244,-40.49) 1(-45.244,-40.49) 1(-45.244,-40.49) 1(-45.244,-40.49) 1(-45.244,-40.488) 1(-45.244,-40.488) 1(-45.244,-40.488) 1(-45.244,-40.473) 1(-45.244,-40.473) 1(-45.244,-40.473) 1(-45.244,-40.481) 1(-45.244,-40.481) 1(-45.244,-40.481) 1(-45.244,-40.481) 1(-45.244,-40.481) 1(-45.244,-40.481) 1(-45.244,-40.473) 1(-45.244,-40.473) 1(-45.244,-40.473) 1(-45.244,-40.473) 1(-45.244,-40.473) 1(-45.244,-40.473) 1(-45.244,-40.517) 1(-45.244,-40.517) 1(-45.244,-40.517) 1(-45.244,-40.517) 1(-45.244,-40.517) 1(-45.244,-40.517) 1(-45.244,-40.516) 1(-45.244,-40.516) 1(-45.244,-40.516) 1(-45.244,-40.516) 1(-45.244,-40.516) 1(-45.244,-40.516) 1(-45.244,-40.494) 1(-45.244,-40.494) 1(-45.244,-40.494) 1(-45.244,-40.494) 1(-45.244,-40.494) 1(-45.244,-40.494) 1(-45.244,-40.49) 1(-45.244,-40.49) 1(-45.244,-40.49) 1(-45.244,-40.49) 1(-45.244,-40.49) 1(-45.244,-40.49) 1(-45.244,-40.495) 1(-45.244,-40.495) 1(-45.244,-40.495) 1(-45.243,-40.519) 1(-45.243,-40.519) 1(-45.243,-40.519) 1(-45.243,-40.489) 1(-45.243,-40.489) 1(-45.243,-40.489) 1(-45.243,-40.516) 1(-45.243,-40.516) 1(-45.243,-40.516) 1(-45.243,-40.516) 1(-45.243,-40.516) 1(-45.243,-40.516) 1(-45.243,-40.515) 1(-45.243,-40.515) 1(-45.243,-40.515) 1(-45.243,-40.515) 1(-45.243,-40.515) 1(-45.243,-40.515) 1(-45.243,-40.498) 1(-45.243,-40.498) 1(-45.243,-40.498) 1(-45.243,-40.498) 1(-45.243,-40.498) 1(-45.243,-40.498) 1(-45.243,-40.494) 1(-45.243,-40.494) 1(-45.243,-40.494) 1(-45.243,-40.494) 1(-45.243,-40.494) 1(-45.243,-40.494) 1(-45.243,-40.492) 1(-45.243,-40.492) 1(-45.243,-40.492) 1(-45.243,-40.49) 1(-45.243,-40.49) 1(-45.243,-40.49) 1(-45.243,-40.49) 1(-45.243,-40.49) 1(-45.243,-40.49) 1(-45.243,-40.511) 1(-45.243,-40.511) 1(-45.243,-40.511) 1(-45.243,-40.479) 1(-45.243,-40.479) 1(-45.243,-40.479) 1(-45.243,-40.479) 1(-45.243,-40.479) 1(-45.243,-40.479) 1(-45.243,-40.473) 1(-45.243,-40.473) 1(-45.243,-40.473) 1(-45.243,-40.508) 1(-45.243,-40.508) 1(-45.243,-40.508) 1(-45.243,-40.508) 1(-45.243,-40.508) 1(-45.243,-40.508) 1(-45.242,-40.485) 1(-45.242,-40.485) 1(-45.242,-40.485) 1(-45.242,-40.485) 1(-45.242,-40.485) 1(-45.242,-40.485) 1(-45.242,-40.489) 1(-45.242,-40.489) 1(-45.242,-40.489) 1(-45.242,-40.498) 1(-45.242,-40.498) 1(-45.242,-40.498) 1(-45.242,-40.488) 1(-45.242,-40.488) 1(-45.242,-40.488) 1(-45.242,-40.519) 1(-45.242,-40.519) 1(-45.242,-40.519) 1(-45.242,-40.519) 1(-45.242,-40.519) 1(-45.242,-40.519) 1(-45.241,-40.518) 1(-45.241,-40.518) 1(-45.241,-40.518) 1(-45.241,-40.518) 1(-45.241,-40.518) 1(-45.241,-40.518) 1(-45.241,-40.492) 1(-45.241,-40.492) 1(-45.241,-40.492) 1(-45.241,-40.473) 1(-45.241,-40.473) 1(-45.241,-40.473) 1(-45.241,-40.479) 1(-45.241,-40.479) 1(-45.241,-40.479) 1(-45.241,-40.479) 1(-45.241,-40.479) 1(-45.241,-40.479) 1(-45.241,-40.473) 1(-45.241,-40.473) 1(-45.241,-40.473) 1(-45.241,-40.473) 1(-45.241,-40.473) 1(-45.241,-40.473) 1(-45.241,-40.518) 1(-45.241,-40.518) 1(-45.241,-40.518) 1(-45.241,-40.518) 1(-45.241,-40.518) 1(-45.241,-40.518) 1(-45.241,-40.496) 1(-45.241,-40.496) 1(-45.241,-40.496) 1(-45.241,-40.518) 1(-45.241,-40.518) 1(-45.241,-40.518) 1(-45.241,-40.518) 1(-45.241,-40.518) 1(-45.241,-40.518)